# Altium PCB Board_Design.PcbDoc (part 3 of 3) (continued)
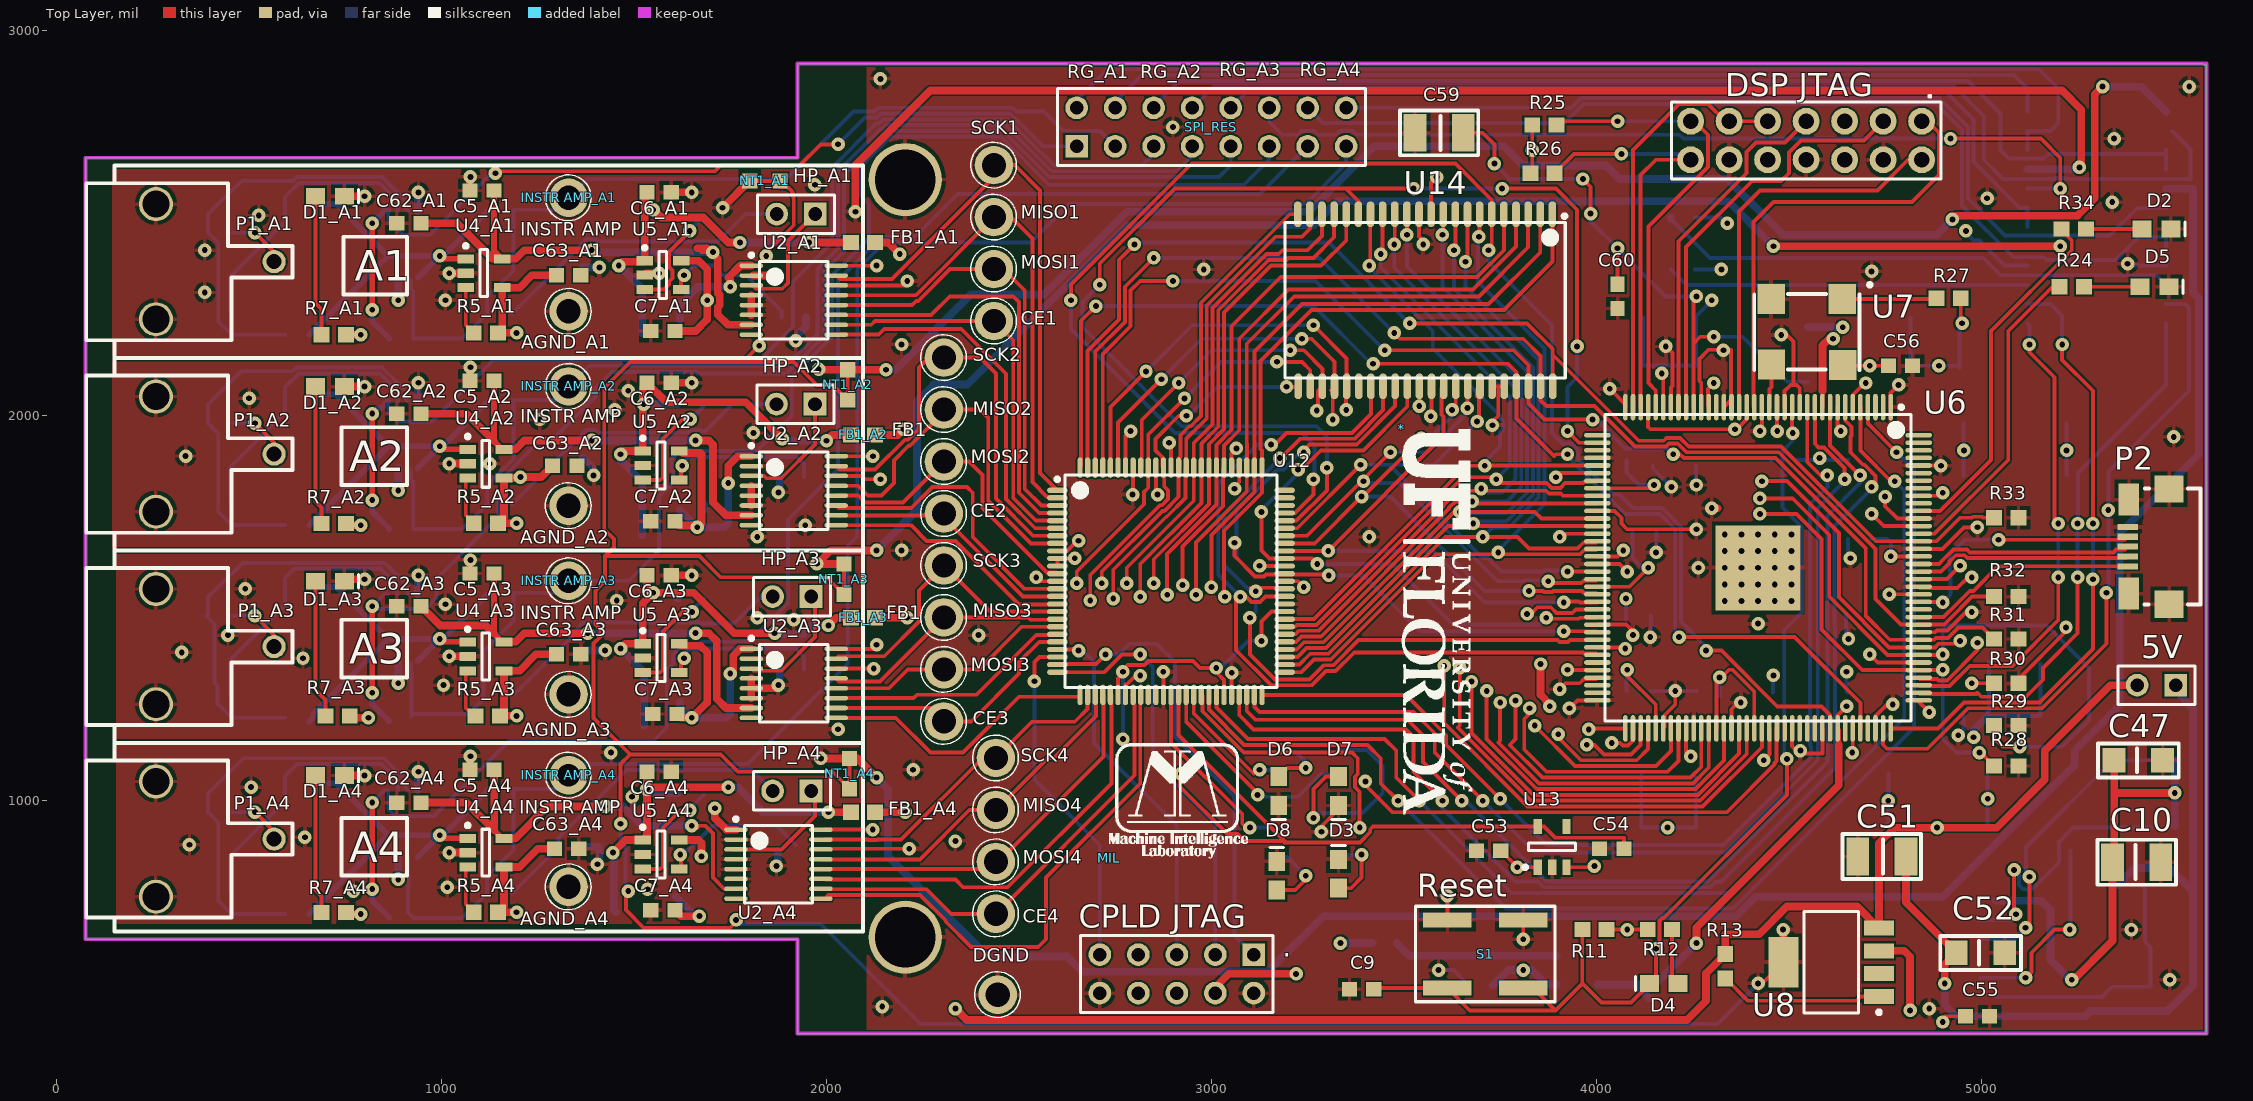
[diagram p0: Top Layer view]
## Nets (pads, with @x,y where several pads share a name; then routed paths per layer and width w, separated by ;. In a path a pad name is that pad's centre, name@x,y a point inside that pad or via, vN(x,y) a via of type N, cw(c..) or ccw(c..) an arc to the next point about the centre after c; other vN are vias at no path point) (continued)
  Top Layer w10: U2_A1.3@1804.76,2338.6 1807.46,2338.6 1816.06,2330 1885,2330 1900,2345 1900,2453.9 HP_A1.1@1970,2523.9
NetHP_A2_1: HP_A2.1 U2_A2.3 | length 309.1
  Top Layer w10: U2_A2.3@1804.76,1843.6 1837.51,1843.6 1843.61,1837.5 1882.29,1837.5 1970,1925.21 HP_A2.1@1970,2030.21
NetHP_A3_1: HP_A3.1 U2_A3.3 | length 308.7
  Top Layer w10: U2_A3.3@1804.76,1343.09 1810.35,1337.5 1882.8,1337.5 1970,1424.7 HP_A3.1@1970,1529.7
NetHP_A4_1: HP_A4.1 U2_A4.3 | length 310.9
  Top Layer w10: U2_A4.3@1755,873.09 1883.39,873.09 1965,954.7 1970,959.7 HP_A4.1@1970,1019.7
NetR5_A1_1: R5_A1.1 U4_A1.3 | length 126.2
  Top Layer w10: U4_A1.3@1062.76,2332.81 1062.76,2235.96 R5_A1.1@1083.5,2215.21
NetR5_A2_1: R5_A2.1 U4_A2.3 | length 126.2
  Top Layer w10: U4_A2.3@1062.76,1838.32 1062.76,1741.47 R5_A2.1@1083.5,1720.73
NetR5_A3_1: R5_A3.1 U4_A3.3 | length 126.2
  Top Layer w10: U4_A3.3@1062.76,1337.81 1062.76,1240.96 R5_A3.1@1083.5,1220.21
NetR5_A4_1: R5_A4.1 U4_A4.3 | length 126.2
  Top Layer w10: U4_A4.3@1062.76,827.81 1062.76,730.96 R5_A4.1@1083.5,710.21
NetR8_A1_1: R8_A1.1 U5_A1.3 | length 293
  Top Layer w10: U5_A1.3@1527.76,2327.81 1577.4,2327.81 1590.59,2341 1590.59,2348.17 1600,2357.58 1600,2377.25 1590.59,2386.66 1590.59,2425.8 v1(1645,2480.21)
  Bottom Layer w10: v1(1645,2480.21) 1645,2483.72 R8_A1.1@1681.5,2520.21
NetR8_A2_1: R8_A2.1 U5_A2.3 | length 301.3
  Top Layer w10: U5_A2.3@1522.76,1833.32 1568.11,1833.32 1575,1840.21 1575,1940.21 1625.51,1990.73 v1(1646.19,1990.73)
  Bottom Layer w10: v1@1643.25,1987.48 R8_A2.1@1681.5,2025.73
NetR8_A3_1: R8_A3.1 U5_A3.3 | length 305.8
  Top Layer w10: U5_A3.3@1522.76,1332.81 1568.11,1332.81 1575,1339.7 1575,1439.7 1625.51,1490.21 v1(1650.68,1490.21)
  Bottom Layer w10: v1@1643.25,1486.97 R8_A3.1@1681.5,1525.21
NetR8_A4_1: R8_A4.1 U5_A4.3 | length 298
  Top Layer w10: U5_A4.3@1522.76,822.81 1568.11,822.81 1575,829.7 1575,929.7 1620.51,975.21 v1(1645,975.21)
  Bottom Layer w10: v1@1643.25,976.97 R8_A4.1@1681.5,1015.21
NetR9_2: R9.2 U3.10 | length 1361.2
  Bottom Layer w10: R9.2@4193.5,2511.5 4295,2410 5005,2410 5050,2365 5455.12,2365 U3.10@5480.12,2340
  Bottom Layer w20: R9.2@4193.5,2511.5 R9.2@4193.5,2515
NetR10_2: R10.2 R21.1 U9.3 | length 768.7
  Top Layer w10: v1(5115,670) 5125,680 v1(5125,802.07)
  Bottom Layer w10: U9.3@4997.6,640 5085,640 v1(5115,670) ; v1@5116.5,793.5 5116.5,880 R21.1@5341.5,1105 R10.2@5439.49,1105
NetR13_2: R13.2 U8.1 | length 428.1
  Top Layer w10: R13.2@4335,538.5 4393.5,480 4675,480 4686.63,491.63 U8.1@4734.02,491.63
NetR17_2: R17.2 U9.2 | length 713.4
  Top Layer w10: v1(5085,820) 5085,710 v1(5090,705)
  Bottom Layer w10: U9.2@4990,690 U9.2@4997.6,690 5080,690 v1@5090,700 ; v1(5085,820) 5097.5,807.5 5097.5,780.68 5108.18,770 5131.82,770 5201.81,839.99 5201.81,892.84 5238.97,930 R17.2@5443.5,930
NetR24_2: R24.2 U6.131 | length 828.1
  Top Layer w10: U6.131@4837.32,1693.58 4878.58,1693.58 5070,1885 5070,2220 5185,2335 R24.2@5203.5,2335
NetR27_2: R27.2 U7.1 | length 244
  Top Layer w10: U7.1@4639,2303 R27.2@4883,2303
NetR34_2: R34.2 U6.134 | length 940.5
  Top Layer w10: U6.134@4837.32,1752.64 4892.64,1752.64 5025,1885 5025,2220 5235,2430 5235,2455 5208.5,2481.5 R34.2@5208.5,2485
NetR35_1: R35.1 U12.42 | length 732.5
  Top Layer w10: U12.42@2973.74,1274.72 2976.54,1271.93 2976.54,1232.25 3083.79,1125 3365,1125 3380,1110 3380,1068.89 3372.5,1061.39 3372.5,1035.68 3385,1023.18 v1(3385,930)
  Bottom Layer w10: R35.1@3338.5,930 v1(3385,930)
NetR36_1: R36.1 U12.41 | length 336.1
  Top Layer w10: U12.41@2954.06,1274.72 2954.06,1225.94 3110,1070 3120,1080 v1(3125,1080)
  Bottom Layer w10: v1(3125,1080) 3158.5,1080 R36.1@3168.5,1070
NetR37_1: R37.1 U12.40 | length 600
  Top Layer w10: U12.40@2934.37,1274.72 2934.37,1205.63 3120,1020 v1(3120,1015)
  Bottom Layer w10: v1(3120,1015) 3120,1020 3110,1010 3225,1010 3283.5,1068.5 R37.1@3330,1068.5
NetR38_2: R38.2 U12.38 | length 511.1
  Top Layer w10: U12.38@2895,1274.72 2895,1150 3080,965 3080,940 3090,930 v1(3100,930)
  Bottom Layer w10: v1(3100,930) 3156.5,930 R38.2@3170,916.5
NetR39_2: R39.2 U15.3 | length 428.9
  Bottom Layer w20: R39.2@3481.5,630 3514.09,597.4 U15.3@3896.85,597.4
PLL_HV: C59.1 C60.1 U6.27 U16.3 | length 1590.8
  Top Layer w10: C59.1@3654.21,2735 3704.21,2735 3735,2704.21 v1(3735,2655) ; v1(3965,2615) 3985,2595 v1(3985,2525) ; C60.1@4055,2341.5 v1(4055,2435) ; U6.27@4252.68,2022.32 4252.5,2022.5 4252.5,2187.5 ; v1(4260,2310) 4260,2305 4252.5,2297.5 4252.5,2187.5 ; v1@4295,2205 4270,2205 4252.5,2187.5
  Bottom Layer w10: v1(3735,2655) 3775,2615 v1(3965,2615) ; v1(3985,2525) 3985,2505 v1(4055,2435) 4180,2310 v1(4260,2310) ; v1(4305,2205) 4380,2205 4496.73,2088.27 U16.3@4550,2088.27
R\S\T\: C9.1 D4.1 R11.2 S1.3 S1.4 U6.14 | length 2756.7
  Top Layer w10: C9.1@3424.54,513.05 S1.3@3613.15,513.05 3670.98,455.21 3893.5,455.21 ; S1.4@3810,513.05 3835.67,513.05 3893.5,455.21 ; R11.2@3963.5,665.21 3963.5,525.21 ; v1(4495,1108.43) 4495,1015 4174.9,694.9 4171.68,694.9 4164.17,687.39 4164.17,624.17 v1(4155,615) 4155,542.62 D4.1@4137.6,525.21 4137.6,522.81 4090,475.21 4013.5,475.21 3963.5,525.21 ; v1@4508.58,1956.42 U6.14@4508.58,2022.32 ; 3893.5,455.21 3963.5,525.21
  Bottom Layer w10: v1(4495,1108.43) 4488.19,1115.24 4488.19,1443.19 4535,1490 4535,1709.42 4483.19,1761.23 4483.19,1908.19 4510,1935 v1(4510,1955)
R\S\T\_\P\O\T\: R6.1 U3.15 | length 942.9
  Bottom Layer w10: R6.1@4193.5,2380 4233.5,2340 U3.15@5119.88,2340
RGA_1: DNP_A1.1 SPI_RES.1 U1_A1.1 | length 2366
  Top Layer w10: v1(1140,2630) 1145,2635 1710,2635 1725,2650 1930,2650 1985,2705 v1(2030,2705)
  Top Layer w15: v1(820,2275.21) v1(820,2500.21)
  Bottom Layer w10: U1_A1.1@861.61,2531.83 861.61,2508.39 899.79,2470.21 970.21,2470.21 1130,2630 v1(1140,2630) ; v1(2030,2705) 2100,2775 2131.36,2775 2141.36,2785 2477.43,2785 2562.43,2700 SPI_RES.1@2650,2700
  Bottom Layer w15: v1(820,2275.21) 820,2245.21 863.5,2201.71 DNP_A1.1@863.5,2200.21 ; v1(820,2500.21) 851.61,2531.83 U1_A1.1@861.61,2531.83
RGA_1I: SPI_RES.2 U3.22 U3.23 | length 2852.3
  Bottom Layer w10: SPI_RES.2@2650,2800 2650,2820 2730,2900 5150,2900 5200,2850 5200,2760 5180,2740 U3.23@5119.88,2740 U3.22@5119.88,2690
RGA_2: DNP_A2.1 SPI_RES.5 U1_A2.1 | length 2989.1
  Top Layer w15: v1(820,1780.73) v1(820,2005.73)
  Bottom Layer w10: U1_A2.1@861.61,2036.83 861.61,2008.6 885,1985.21 975.21,1985.21 1135,2145 1827.13,2145 1913.19,2231.06 1913.19,2348.19 2015,2450 2015,2645 2130,2760 2137.57,2760 2147.57,2770 2471.21,2770 2591.21,2650 2820,2650 2850,2680 SPI_RES.5@2850,2700
  Bottom Layer w15: v1(820,1780.73) 820,1750.73 863.5,1707.22 DNP_A2.1@863.5,1705.73 ; v1(820,2005.73) 835,2020.73 845,2020.73 U1_A2.1@861.61,2037.34
RGA_2I: SPI_RES.6 U3.3 U3.4 | length 2856.2
  Bottom Layer w10: SPI_RES.6@2850,2800 2850,2805 2915,2870 4965,2870 5050,2785 5050,2690 5071.81,2668.19 5162.38,2668.19 5174.19,2680 U3.3@5480.12,2680 ; U3.4@5480.12,2640 U3.3@5480.12,2680 ; U3.3@5480.12,2690 U3.3@5480.12,2680
RGA_3: DNP_A3.1 SPI_RES.9 U1_A3.1 | length 3541.8
  Top Layer w15: v1(820,1280.21) v1(820,1505.21)
  Bottom Layer w10: U1_A3.1@861.61,1536.32 851.1,1536.32 v1(820,1505.21) 827.44,1497.77 957.77,1497.77 987.5,1527.5 987.5,1577.5 1148.19,1738.19 1148.19,1789.95 1157.67,1799.43 1157.67,1837.67 1248.69,1928.69 1278.69,1928.69 1400.2,2050.2 1400.2,2070.41 1443.01,2113.23 1661.39,2113.23 1664.62,2110 1896.21,2110 1995,2208.79 1995,2376.43 2045,2426.43 2045,2625 2160,2740 2458.79,2740 2578.79,2620 3020,2620 3050,2650 SPI_RES.9@3050,2700
  Bottom Layer w15: v1(820,1280.21) 820,1250.21 DNP_A3.1@863.5,1206.71
RGA_3I: SPI_RES.10 U3.18 U3.19 | length 2325.2
  Bottom Layer w10: SPI_RES.10@3050,2800 3090,2840 4910,2840 4980,2770 4980,2660 5100,2540 U3.19@5119.88,2540 U3.18@5119.88,2490
RGA_4: DNP_A4.1 SPI_RES.13 U1_A4.1 | length 4051.3
  Top Layer w15: v1(820,770.21) v1(820,995.21)
  Bottom Layer w10: v1(820,995.21) 851.1,1026.32 U1_A4.1@861.61,1026.32 861.61,978.6 880,960.21 980,960.21 1174.79,1155 1550,1155 1585,1190 1585,1340 1602.5,1357.5 1602.5,1381.39 1628.82,1407.71 1671.39,1407.71 1676.39,1412.71 1798.4,1412.71 1899.53,1513.84 1899.53,1729.74 2030,1860.21 2030,2351.21 2143.79,2465 2230,2465 2340.98,2575.98 3125.98,2575.98 SPI_RES.13@3250,2700
  Bottom Layer w15: v1(820,770.21) 820,740.21 DNP_A4.1@863.5,696.71
RGA_4I: SPI_RES.14 U3.7 U3.8 | length 2625.9
  Bottom Layer w10: SPI_RES.14@3250,2800 3289.53,2760.47 3916.69,2760.47 3966.21,2810 4883.79,2810 4950,2743.79 4950,2545 5083.19,2411.81 5162.38,2411.81 5169.19,2405 5350,2405 5410,2465 5480,2465 ; U3.8@5480.12,2440 U3.7@5480.12,2490
RGB_1: "INSTR AMP_A1.1" C4_A1.1 DNP_A1.2 R4_A1.2 SPI_RES.3 U1_A1.6 | length 2400.8
  Bottom Layer w10: U1_A1.6@912.8,2358.6 919.53,2351.87 919.53,2331.1 926.5,2324.14 DNP_A1.2@926.5,2200.21 1053.5,2200.21 C4_A1.1@1118.5,2265.21 1118.5,2308.72 1186.5,2376.71 R4_A1.2@1186.5,2535.21 1304.02,2535.21 1335,2566.2 ; 1330,2566.2 1379.02,2615.21 1895.21,2615.21 2070,2790 2125.15,2790 2135.15,2800 2483.64,2800 2493.64,2790 2565,2790 2615.47,2739.53 2710.47,2739.53 SPI_RES.3@2750,2700
RGB_1I: SPI_RES.4 U3.24 | length 2488.4
  Bottom Layer w10: SPI_RES.4@2750,2800 2750,2815 2820,2885 5085,2885 5119.88,2850.12 U3.24@5119.88,2790
RGB_2: "INSTR AMP_A2.1" C4_A2.1 DNP_A2.2 R4_A2.2 SPI_RES.7 U1_A2.6 | length 3103.6
  Bottom Layer w10: U1_A2.6@912.8,1864.11 919.53,1857.38 919.53,1836.1 926.5,1829.14 DNP_A2.2@926.5,1705.73 1053.5,1705.73 C4_A2.1@1118.5,1770.73 1118.5,1819.72 1186.5,1887.71 R4_A2.2@1186.5,2040.73 1304.02,2040.73 1365,2101.71 1365,2111.2 ; 1330,2076.2 1383.8,2130 1895,2130 1976.18,2211.18 1976.18,2380.18 2030,2434 2030,2635 2140,2745 2143.79,2745 2153.79,2755 2465,2755 2585,2635 2910,2635 2950,2675 SPI_RES.7@2950,2700
RGB_2I: SPI_RES.8 U3.2 | length 2929
  Bottom Layer w10: SPI_RES.8@2950,2800 3005,2855 4930,2855 5006.38,2778.62 5006.38,2665 5056.38,2615 5191.11,2615 5193.61,2617.5 5216.39,2617.5 5218.89,2615 5543.19,2615 5543.19,2691.81 U3.2@5495,2740
RGB_3: "INSTR AMP_A3.1" C4_A3.1 DNP_A3.2 R4_A3.2 SPI_RES.11 U1_A3.6 | length 3629.3
  Bottom Layer w10: U1_A3.6@912.8,1363.09 919.53,1356.36 919.53,1335.59 921.5,1333.62 DNP_A3.2@921.5,1220.21 ; DNP_A3.2@927.8,1225.13 1069.91,1225.13 1108.5,1263.72 C4_A3.1@1108.5,1275.21 1108.5,1388.72 1186.5,1466.71 R4_A3.2@1186.5,1540.21 1291.48,1540.21 1291.48,1571.69 ; 1329.51,1571.69 1330,1572.18 1330,1571.2 1486.2,1571.2 1565,1650 1565,1790 1602.55,1827.55 1602.55,1853.56 1597.5,1858.61 1597.5,1887.5 1620.73,1910.73 1646.11,1910.73 1648.61,1908.23 1818.01,1908.23 1857.5,1947.71 1857.5,1951.39 1873.61,1967.5 1877.29,1967.5 1909.53,1999.74 1909.53,2100.32 2015,2205.79 2015,2365.21 2110,2460.21 2110,2549.46 2088.11,2571.35 2088.11,2646.89 2166.21,2725 2452.57,2725 2577.57,2600 3085,2600 3150,2665 SPI_RES.11@3150,2700 ; 1330,1607.55 1330,1614.02
RGB_3I: SPI_RES.12 U3.20 | length 2310.3
  Top Layer w10: v1(4920,2720) 5155,2720 5205,2670 v1(5205,2590)
  Bottom Layer w10: SPI_RES.12@3150,2800 3150,2765 3185,2730 3224.1,2730 3233.63,2739.53 3266.37,2739.53 3275.9,2730 3324.1,2730 3333.63,2739.53 3366.37,2739.53 3375.9,2730 4216.36,2730 4226.36,2720 v1(4920,2720) ; U3.20@5119.88,2590 v1(5205,2590)
RGB_4: "INSTR AMP_A4.1" C4_A4.1 DNP_A4.2 R4_A4.2 SPI_RES.15 U1_A4.6 | length 4152.8
  Bottom Layer w10: U1_A4.6@912.8,853.6 912.8,808.51 914.7,806.6 914.7,783.82 912.8,781.91 912.8,708.91 DNP_A4.2@926.5,695.21 1053.5,695.21 C4_A4.1@1118.5,760.21 1118.5,803.72 1186.5,871.71 R4_A4.2@1186.5,1030.21 1304.02,1030.21 1335,1061.2 ; 1330,1066.2 1359.02,1095.21 1795,1095.21 2055,1355.21 2055,1662.03 2080,1687.03 2080,2380 2150,2450 2530,2450 2630,2550 3245,2550 3350,2655 SPI_RES.15@3350,2700
RGB_4I: SPI_RES.16 U3.6 | length 2426.4
  Bottom Layer w10: SPI_RES.16@3350,2800 3935,2800 3960,2825 4890,2825 4965,2750 4965,2565 5061.81,2468.19 5333.19,2468.19 5405,2540 U3.6@5480.12,2540
SCK_POT: U3.14 U6.108 | length 1617.8
  Top Layer w10: U6.108@4764.49,1187.68 4887.68,1187.68 4955,1255 5151.21,1255 5290,1393.79 v1(5290,1575) ; v1(5210,2185) 5210,2145 5290,2065 v1(5290,1720)
  Bottom Layer w10: U3.14@5119.88,2290 5180,2290 5210,2260 v1(5210,2185) ; v1(5290,1575) v1(5290,1720) v1@5290,1725
SCK_TB: P2.4 U6.122 | length 678.5
  Top Layer w10: U6.122@4837.32,1516.42 4898.58,1516.42 v1(4900,1515) ; v1(5045,1677.87) 5373.28,1677.87 P2.4@5381,1685.59
  Bottom Layer w10: v1(4900,1515) 4920,1535 4920,1596.11 4917.5,1598.61 4917.5,1637.5 4957.87,1677.87 v1(5045,1677.87)
SDI_POT: U3.12 U6.110 | length 1406
  Top Layer w10: U6.110@4837.32,1280.2 4840.02,1277.5 4986.39,1277.5 4989.09,1280.2 4989.8,1280.2 5000,1270 5115.99,1270 5160,1314.01 5160,1345 5250,1435 v1(5250,1580)
  Bottom Layer w10: v1(5250,1580) v1(5250,1720) 5251.18,1721.18 5251.18,1851.18 5480.12,2080.12 U3.12@5480.12,2240
SDI_TB: P2.3 U6.127 | length 568.7
  Top Layer w10: U6.127@4837.32,1614.84 4889.84,1614.84 4902.5,1627.5 4902.5,1627.6 4927.4,1652.5 4962.6,1652.5 4970.1,1645 5343,1645 5350.28,1652.28 5373.28,1652.28 P2.3@5381,1660
SDO_POT: U3.13 U6.111 | length 1238.9
  Top Layer w10: U6.111@4837.32,1299.88 4839.7,1297.5 4917.6,1297.5 4970.1,1350 5080.99,1350 5200,1469.01 v1(5200,1580) ; v1(5125,2185) 5125,2165 5190,2100 5190,1730 v1(5200,1720)
  Bottom Layer w10: U3.13@5119.88,2240 5125,2234.88 v1(5125,2185) ; v1(5200,1580) v1(5200,1720)
SDO_TB: P2.2 U6.126 | length 568.4
  Top Layer w10: U6.126@4837.32,1595.16 4895.16,1595.16 4917.5,1617.5 4917.5,1621.39 4933.61,1637.5 4956.39,1637.5 4963.89,1630 5376.59,1630 P2.2@5381,1634.41
SPI_CE1: CE1.1 U2_A1.10 U12.5 | length 1033.3
  Top Layer w10: U2_A1.10@2025.24,2236.24 2116.24,2236.24 2125.98,2245.98 CE1.1@2435,2245.98 2485,2195.98 2485,1786.21 2543.73,1727.48 U12.5@2599.72,1727.48
SPI_CE2: CE2.1 U2_A2.10 U12.15 | length 675.9
  Top Layer w10: U2_A2.10@2025.24,1741.24 CE2.1@2300.25,1741.24 ; CE2.1@2305,1745.98 2305,1735 2510,1530 U12.15@2610,1530
SPI_CE3: CE3.1 U2_A3.10 U12.21 | length 692
  Top Layer w10: U2_A3.10@2025.24,1240.73 2270.26,1240.73 CE3.1@2305,1205.98 2375.98,1205.98 2500,1330 2500,1360 2552.52,1412.52 U12.21@2599.72,1412.52
SPI_CE4: CE4.1 U2_A4.10 U12.33 | length 1188.2
  Top Layer w10: U2_A4.10@1998.24,770 2260,770 2324.02,705.98 CE4.1@2440,705.98 2800,1065.98 2800,1247.41 2799.37,1248.04 2799.37,1270.35 U12.33@2795,1274.72
SPI_MISO1: MISO1.1 U2_A1.13 U12.2 | length 1331.3
  Top Layer w10: U2_A1.13@2025.24,2313.01 2232.02,2313.01 MISO1.1@2435,2515.98 2479.02,2515.98 2535,2460 2535,1827.37 2573.04,1789.33 2596.93,1789.33 U12.2@2599.72,1786.54
SPI_MISO2: MISO2.1 U2_A2.13 U12.8 | length 985.4
  Top Layer w10: U2_A2.13@2025.24,1818.01 2081.99,1818.01 2107.29,1792.71 2142.71,1792.71 2175,1825 2175,1883.79 2213.71,1922.5 2217.6,1922.5 2305,2009.9 MISO2.1@2305,2015.98 2399.02,2015.98 2420,1995 2420,1780 2531.57,1668.43 U12.8@2599.72,1668.43
SPI_MISO3: MISO3.1 U2_A3.13 U12.18 | length 648.8
  Top Layer w10: U2_A3.13@2025.24,1317.5 2032.73,1310 2139.02,1310 MISO3.1@2305,1475.98 2524.02,1475.98 2530,1470 U12.18@2599.72,1470
SPI_MISO4: MISO4.1 U2_A4.13 U12.28 | length 923.9
  Top Layer w10: U2_A4.13@1985.24,847.8 1985.53,847.5 2242.5,847.5 2370.98,975.98 MISO4.1@2440,975.98 2575,1110.98 2590.98,1110.98 2700,1220 U12.28@2700,1274.72
SPI_MOSI1: 
SPI_MOSI1: MOSI1.1 U2_A1.12 U12.3 | length 1169.3
  Top Layer w10: U2_A1.12@2025.24,2287.42 2222.42,2287.42 2233.01,2298.01 2238.24,2298.01 2321.21,2380.98 MOSI1.1@2435,2380.98 2459.02,2380.98 2515,2325 2515,1810 2558.15,1766.85 U12.3@2599.72,1766.85
SPI_MOSI2: 
SPI_MOSI2: MOSI2.1 U2_A2.12 U12.12 | length 796.3
  Top Layer w10: U2_A2.12@2025.24,1792.42 2082.58,1792.42 2100,1775 2199.02,1775 MOSI2.1@2305,1880.98 2370,1880.98 2405,1845.98 2405,1760.52 2573.04,1592.48 2596.93,1592.48 U12.12@2599.72,1589.68
SPI_MOSI3: 
SPI_MOSI3: MOSI3.1 U2_A3.12 U12.19 | length 640.8
  Top Layer w10: U2_A3.12@2025.24,1291.91 2161.91,1291.91 2210.98,1340.98 MOSI3.1@2305,1340.98 2395.98,1340.98 2506.89,1451.89 U12.19@2599.72,1451.89
SPI_MOSI4: 
SPI_MOSI4: MOSI4.1 U2_A4.12 U12.29 | length 1015.8
  Top Layer w10: U2_A4.12@1985.24,822.2 2421.22,822.2 MOSI4.1@2440,840.98 2445.98,840.98 2720,1115 U12.29@2720,1274.72
SPI_SCK1: SCK1.1 U2_A1.15 U12.1 | length 1499
  Top Layer w10: U2_A1.15@2025.24,2364.19 2034.43,2355 2170,2355 2435,2620 SCK1.1@2435,2650.98 2489.02,2650.98 2555,2585 2555,1850.94 U12.1@2599.72,1806.22
SPI_SCK2: SCK2.1 U2_A2.15 U12.7 | length 1174
  Top Layer w10: U2_A2.15@2025.24,1869.19 2034.43,1860 2126.11,1860 2203.61,1937.5 2211.39,1937.5 2240,1966.11 2240,2125 2265.98,2150.98 SCK2.1@2305,2150.98 2399.02,2150.98 2440,2110 2440,1785 2536.89,1688.11 U12.7@2599.72,1688.11
SPI_SCK3: SCK3.1 U2_A3.15 U12.17 | length 771.9
  Top Layer w10: U2_A3.15@2025.24,1368.68 2031.56,1375 2150,1375 2240,1465 2240,1545.98 SCK3.1@2305,1610.98 2424.72,1491.26 U12.17@2599.72,1491.26
SPI_SCK4: SCK4.1 U2_A4.15 U12.27 | length 861.4
  Top Layer w10: U2_A4.15@1995,898.68 2107.43,898.68 2108.61,897.5 2131.39,897.5 2132.57,898.68 2193.68,898.68 2405.98,1110.98 SCK4.1@2440,1110.98 2534.02,1205 2645,1205 2678.46,1238.46 U12.27@2678.46,1274.72
T\R\S\T\: "DSP JTAG.2" U6.21 | length 1038.3
  Top Layer w10: U6.21@4370.79,2022.32 4370.79,2530.79 4425,2585 4730,2585 4810,2665 4845,2665
TCK: "DSP JTAG.9" "DSP JTAG.11" U6.35 | length 1085.9
  Top Layer w10: U6.35@4095.2,2022.32 4095.2,2690.2 4215,2810 4290,2810 4335,2765 4345,2765 4445,2765
TCK_CPLD: "CPLD JTAG.1" U12.24 | length 1209.2
  Top Layer w10: U12.24@2596.26,1355 2700,1355 v1(2725,1380) ; 3100,610 3110,600
  Bottom Layer w10: v1(2725,1380) 2760,1380 2787.5,1407.5 2857.5,1407.5 2905,1360 2905,1165 3060,1010 3060,650 3110,600
TD0: "DSP JTAG.7" U6.29 | length 924
  Top Layer w10: U6.29@4213.31,2022.32 4213.31,2453.31 4390,2630 4390,2685 4415,2710 4490,2710 4545,2765
TDI: "DSP JTAG.3" U6.28 | length 1095
  Top Layer w10: U6.28@4232.99,2022.32 4232.99,2298.12 4232.5,2298.61 4232.5,2321.39 4232.99,2321.88 4232.99,2437.99 4405,2610 4480,2610 4500,2630 4500,2683.64 4531.36,2715 4695,2715 4745,2765
TDI_CPLD: "CPLD JTAG.9" U12.23 | length 895.6
  Top Layer w10: v1(2540,1310) 2540,1360 2553.15,1373.15 U12.23@2599.72,1373.15
  Bottom Layer w10: v1(2540,1310) 2540,1055 2710,885 2710,600
TDO_CPLD: "CPLD JTAG.3" U12.25 | length 1095.2
  Top Layer w10: U12.25@2599.72,1333.78 2721.73,1333.78 2767.95,1380 v1(2815,1380)
  Bottom Layer w10: v1(2815,1380) 2847.5,1347.5 2847.5,1102.5 3010,940 3010,600
TMS: "DSP JTAG.1" U6.19 | length 1181.1
  Top Layer w10: U6.19@4410.16,2022.32 4408.57,2023.91 4408.57,2503.57 4460,2555 4820,2555 4890,2625 4890,2735 4860,2765 4845,2765
TMS_CPLD: "CPLD JTAG.5" U12.22 | length 972.1
  Top Layer w10: U12.22@2599.72,1392.83 2652.17,1392.83 v1(2655,1390)
  Bottom Layer w10: v1(2655,1390) 2655,1400 2695,1360 2695,1150 2910,935 2910,600
VIN: C10.1 C47.1 R10.1 R17.1 U9.1 | length 1301.1
  Top Layer w20: v1@5235,530 5340.79,635.79 C10.1@5340.79,840 ; C10.1@5345,844.21 5345,1020 ; C47.1@5345,1105 5345,1020 ; v1@5500,1020 5345,1020
  Bottom Layer w20: U9.1@5037.6,740 5155,740 5180,715 5180,585 v1@5235,530 ; R17.1@5502.48,934.02 R10.1@5502.48,1105
  other v1: 5235,535 5502.48,1020
pads on no net: "CPLD JTAG.6" "CPLD JTAG.7" "CPLD JTAG.8" "DSP JTAG.6" U1_A1.8 U1_A2.8 U1_A3.8 U1_A4.8 U2_A1.8 U2_A2.8 U2_A3.8 U2_A4.8 U6.2 U6.3 U6.24 U6.37 U6.39 U6.67 U6.70 U6.71 U6.94 U6.96 U6.97 U6.98 U6.102 U6.105 U6.135 U6.137 U6.138 U6.139 U6.141 U6.142 U6.143 U6.144 U8.2 U12.35 U12.36 U12.73 U12.74 U12.75 U13.4 U14.28 U15.4

## Polygon pours and split planes (outlines as drawn)
3.3VD on Power "3.3VD" (solid, remove dead copper, pour order 34): 2105,2905 5575,2905 5575,405 2100,405 2100,2900 2105,2905
1.4VD on Power "1.4V" (solid, remove dead copper, pour order 30): 4020,2000 4025,2005 4820,2005 4820,1205 4020,1205 4020,2005
4.2V_A2 on Power "4.2V_A2" (solid, remove dead copper, pour order 27): 155,2140.21 2090,2140.21 2090,1660.21 155,1660.21 155,2140.21
4.2V_A1 on Power "4.2V_A1" (solid, remove dead copper, pour order 23): 150,2640.21 2090,2640.21 2090,2160.21 155,2160.21 155,2635.21 150,2640.21
4.2V_A3 on Power "4.2V_A3" (solid, remove dead copper, pour order 31): 155,1640.21 2090,1640.21 2090,1160.21 155,1160.21 155,1640.21
4.2V_A4 on Power "4.2V_A4" (solid, remove dead copper, pour order 36): 157.09,1145.1 2090,1145.1 2090,685.1 157.09,685.1 157.09,1145.1
AGND2 on Ground "AGND2" (solid, remove dead copper, pour order 29): 155,2140.21 2090,2140.21 2090,1660.21 155,1660.21 155,2140.21
AGND1 on Ground "AGND1" (solid, remove dead copper, pour order 26): 155,2640.21 2090,2640.21 2090,2160.21 155,2160.21 155,2640.21
AGND3 on Ground "AGND3" (solid, remove dead copper, pour order 33): 155,1640.21 2090,1640.21 2090,1160.21 155,1160.21 155,1640.21
AGND4 on Ground "AGND4" (solid, remove dead copper, pour order 38): 155,1142.86 2090,1142.86 2090,677.86 155,677.86 155,1142.86
DGND on Ground "DGND" (solid, remove dead copper, pour order 43): 2170,2915 5585,2915 5585,394.95 2170,394.95
AGND3 on Top Layer "AGND3" (solid, remove dead copper, pour order 39): 155,1640.21 2090,1640.21 2090,1155.21 2085,1160.21 155,1160.21 155,1640.21
AGND4 on Top Layer "AGND4" (solid, remove dead copper, pour order 42): 155,1145.21 2090,1145.21 2090,680.21 160,680.21 155,675.21 155,1145.21
DGND on Top Layer "DGND" (solid, remove dead copper, pour order 44): 2105,2915 5585,2915 5585,395 2105,395 2105,2915
AGND1 on Top Layer "AGND1" (solid, remove dead copper, pour order 25): 145,2640 2090,2640 2090,2155.73 145.73,2155.73 145,2155 145,2640
AGND2 on Top Layer "AGND2" (solid, remove dead copper, pour order 45): 145,2140 2090,2140 2090,1655.73 2085.73,1660 145,1660 145,2140
DGND on Bottom Layer "DGND" (solid, remove dead copper, pour order 28): 2105,2905 5575,2905 5575,405 2105,405 2105,2905
1.4VD on Bottom Layer "1.4V" (solid, remove dead copper, pour order 24): 4845,1235 4030,1235 4030,1945.58 4028.2,1947.38 4035.81,1955 4845,1955 4845,1235
AGND1 on Bottom Layer "AGND1" (solid, remove dead copper, pour order 32): 155,2640.21 2090,2640.21 2090,2165.21 2095,2160.21 2090,2155.21 155,2155.21
AGND2 on Bottom Layer "AGND2" (solid, remove dead copper, pour order 37): 155,2140.21 2090,2140.21 2090,1665.21 2095,1660.21 2090,1665.21 155,1665.21 155,2140.21
AGND3 on Bottom Layer "AGND3" (solid, remove dead copper, pour order 40): 155,1640.21 2090,1640.21 2090,1160.21 2085,1165.21 155,1165.21 155,1640.21
AGND4 on Bottom Layer "AGND4" (solid, remove dead copper, pour order 41): 2095,1145.21 2090,1140.21 155,1140.21 155,675.21 2095,675.21 2095,1140.21

## Keep-outs
Keep-Out Layer:
  lines w10: 75,640.05 75,2670 1925,2670 1925,2915 5585,2915 5585,1094.95 5585,395 ; 80,640.05 1925,640.05 1925,394.95 5585,394.95

## Silkscreen, mask and mechanical layers (free items; w line width, h text height)
Top Overlay:
  lines w9.84: 150,660.21 150,696.21 ; 150,1104.21 150,1150.21 150,1195.21 ; 150,1604.21 150,1650.21 150,1695.21 ; 150,2104.21 150,2150.21 150,2195.21 ; 150,2604.21 150,2650.21 ; 740,805.21 740,955.21 910,955.21 910,805.21 892.5,805.21 837.5,805.21 740,805.21 ; 740,1320.21 740,1470.21 910,1470.21 910,1320.21 892.5,1320.21 837.5,1320.21 740,1320.21 ; 740,1820.21 837.5,1820.21 892.5,1820.21 910,1820.21 910,1970.21 740,1970.21 740,1820.21 ; 745,2315.21 745,2465.21 910,2465.21 910,2315.21 897.5,2315.21 842.5,2315.21 745,2315.21
  lines w10: 150,660.21 2095,660.21 2095,1150.21 ; 150,1150.21 2095,1150.21 ; 150,1650.21 2095,1650.21 ; 150,2150.21 2095,2150.21 ; 150,2650.21 2095,2650.21 2095,2150.21 ; 2095,1150.21 2095,1650.21 ; 2095,1650.21 2095,2150.21
  text "RG_A3" at 3020,2870 h60
  text "RG_A4" at 3230,2870 h60
  text "RG_A1" at 2625,2865 h60
  text "RG_A2" at 2815,2865 h60
  text "INSTR AMP" at 1205,2456.14 h60
  text "A1" at 775,2350.21 h80
  text "INSTR AMP" at 1205,1970.21 h60
  text "FB1" at 2170,1935 h60
  text "A2" at 760,1855.21 h80
  text "INSTR AMP" at 1205,1460.21 h60
  text "FB1" at 2155,1460 h60
  text "A3" at 760,1355.21 h80
  text "INSTR AMP" at 1202.25,954.06 h60
  text "A4" at 760,840.21 h80
  text "Reset" at 3535,750 h60
Bottom Overlay:
  lines w10: 150,1150.21 2095,1150.21 ; 150,1650.21 2095,1650.21 ; 150,2150.21 2095,2150.21 ; 150,675.21 150,2650.21 2095,2650.21 2095,675.21 150,675.21
  text "Sr.Design Fall 2015" at 3785,2320 h60
  text "Jacob Easterling" at 3790,2210 h60
  text "Garrett Smith" at 3785,2115 h60
  text "Passive Sonar Rev. 1" at 3785,2040 h60